# KiCad board aquarius-plus.kicad_pcb (continued)
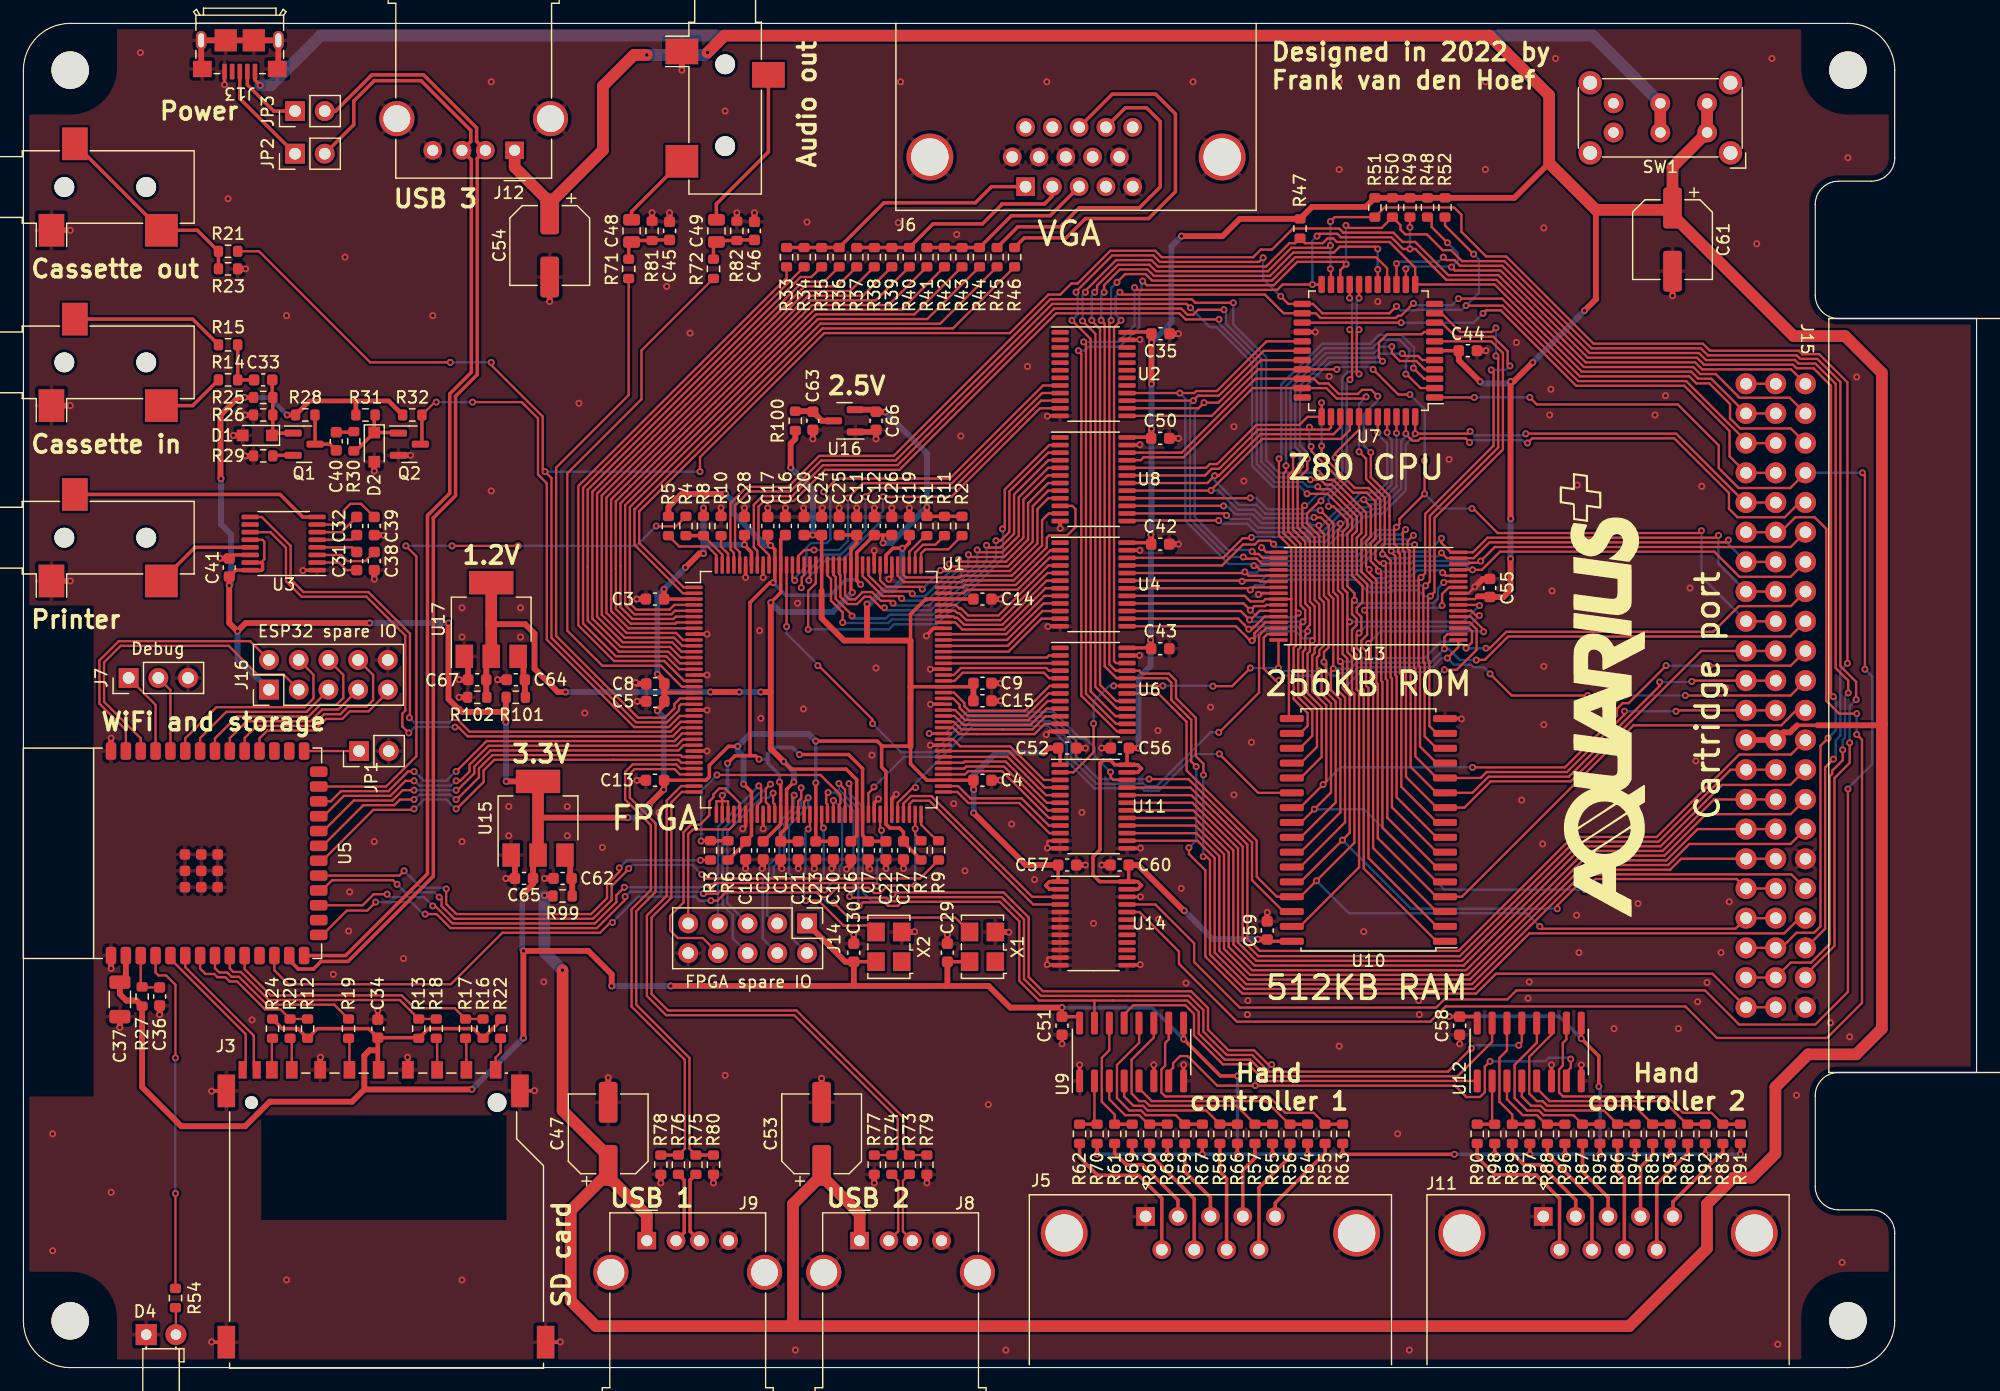
[diagram p0: board, top side]
## Routing (per net, layer and track width the routed paths; a pad name or vN(x,y) marks a point on that pad's centre or on a via; arc(x,y) is an arc through that point) (continued)
Net-(R85-Pad2): length 20
  Top w0.2: U12.11 130.66,28.49 128.75,26.58 128.75,23.45 129.4,22.8 129.9,22.8 130.3,22.4 137.73,22.4 R85.2
  Top w0.3: R93.1 R85.2
Net-(R86-Pad2): length 12
  Top w0.2: R86.2 135.13,22 130.13,22 129.73,22.4 128.91,22.4 128.12,23.2 U12.4
  Top w0.3: R94.1 R86.2
Net-(R87-Pad2): length 15.4
  Top w0.2: R87.2 132.53,21.6 129.97,21.6 129.57,22 128.56,22 127.5,23.06 127.5,25.9 129.4,27.8 129.4,29.46
  Top w0.3: R95.1 R87.2
Net-(R88-Pad2): length 6.6
  Top w0.2: 130.18,20.82 129.4,21.6 128.2,21.6 126.84,22.95 126.84,23.86
  Top w0.3: R96.1 R88.2
Net-(R89-Pad2): length 10.9
  Top w0.2: U12.14 126.84,27.14 126.2,26.5 126.2,22.75 127.3,21.65 R89.2
  Top w0.3: R97.1 R89.2
Net-(R90-Pad2): length 4.7
  Top w0.2: 125.57,24.22 125.57,21.05
  Top w0.3: R98.1 R90.2
Net-(U12-Pad1): length 34.3
  Top w0.2: 94.12,30.22 94.9,31 99.35,31 100.09,30.26 100.09,28.41 102.55,25.95 104.72,25.95 106.15,24.53 U12.1
unconnected-(J15-Pad1): length 2.5
  Top w0.2: J15.1 149.82,84.17

## Copper pours and planes (outline as drawn; the poured copper is in the pictures)
GND on Top, Bottom: 156,8.2 155.8,8.2 155.41,8.16 155.03,8.08 154.65,7.97 154.29,7.82 153.94,7.63 153.62,7.41 153.31,7.17 153.03,6.89 152.79,6.58 152.57,6.26 152.38,5.91 152.23,5.55 152.12,5.17 152.04,4.79 152,4.4 152,4.2 152,0.7 8,0.7 8,4.2 8,4.4 7.96,4.79 7.88,5.17 7.77,5.55 7.62,5.91 7.43,6.26 7.21,6.58 6.97,6.89 6.69,7.17 6.38,7.41 6.06,7.63 5.71,7.82 5.35,7.97 4.97,8.08 4.59,8.16 4.2,8.2 4,8.2 0.5,8.2 0.5,23.2 6,23.2 6,65.2 0.5,65.2 0.5,107.2 4,107.2 4.2,107.2 4.59,107.24 4.97,107.32 5.35,107.43 5.71,107.58 6.06,107.77 6.38,107.99 6.69,108.23 6.97,108.51 7.21,108.82 7.43,109.14 7.62,109.49 7.77,109.85 7.88,110.23 7.96,110.61 8,111 8,111.2 8,114.7 152,114.7 152,111.2 152,111 152.04,110.61 152.12,110.23 152.23,109.85 152.38,109.49 152.57,109.14 152.79,108.82 153.03,108.51 153.31,108.23 153.62,107.99 153.94,107.77 154.29,107.58 154.65,107.43 155.03,107.32 155.41,107.24 155.8,107.2 156,107.2 159.5,107.2 159.5,89.3 166.6,89.3 166.6,25.7 159.5,25.7 159.5,8.2

## Text on the board
F.Silkscreen: Debug | ESP32 spare IO | FPGA spare IO | Cassette out | Cassette in | Printer | WiFi and storage | Power | USB 3 | USB 1 | USB 2 | Designed in 2022 by / Frank van den Hoef | 1.2V | 3.3V | 2.5V | Hand / controller 1 | Hand / controller 2 | SD card | Audio out | FPGA | VGA | Z80 CPU | 512KB RAM | 256KB ROM | Cartridge port
